# KiCad board tekskey-rounded-half.kicad_pcb (continued)
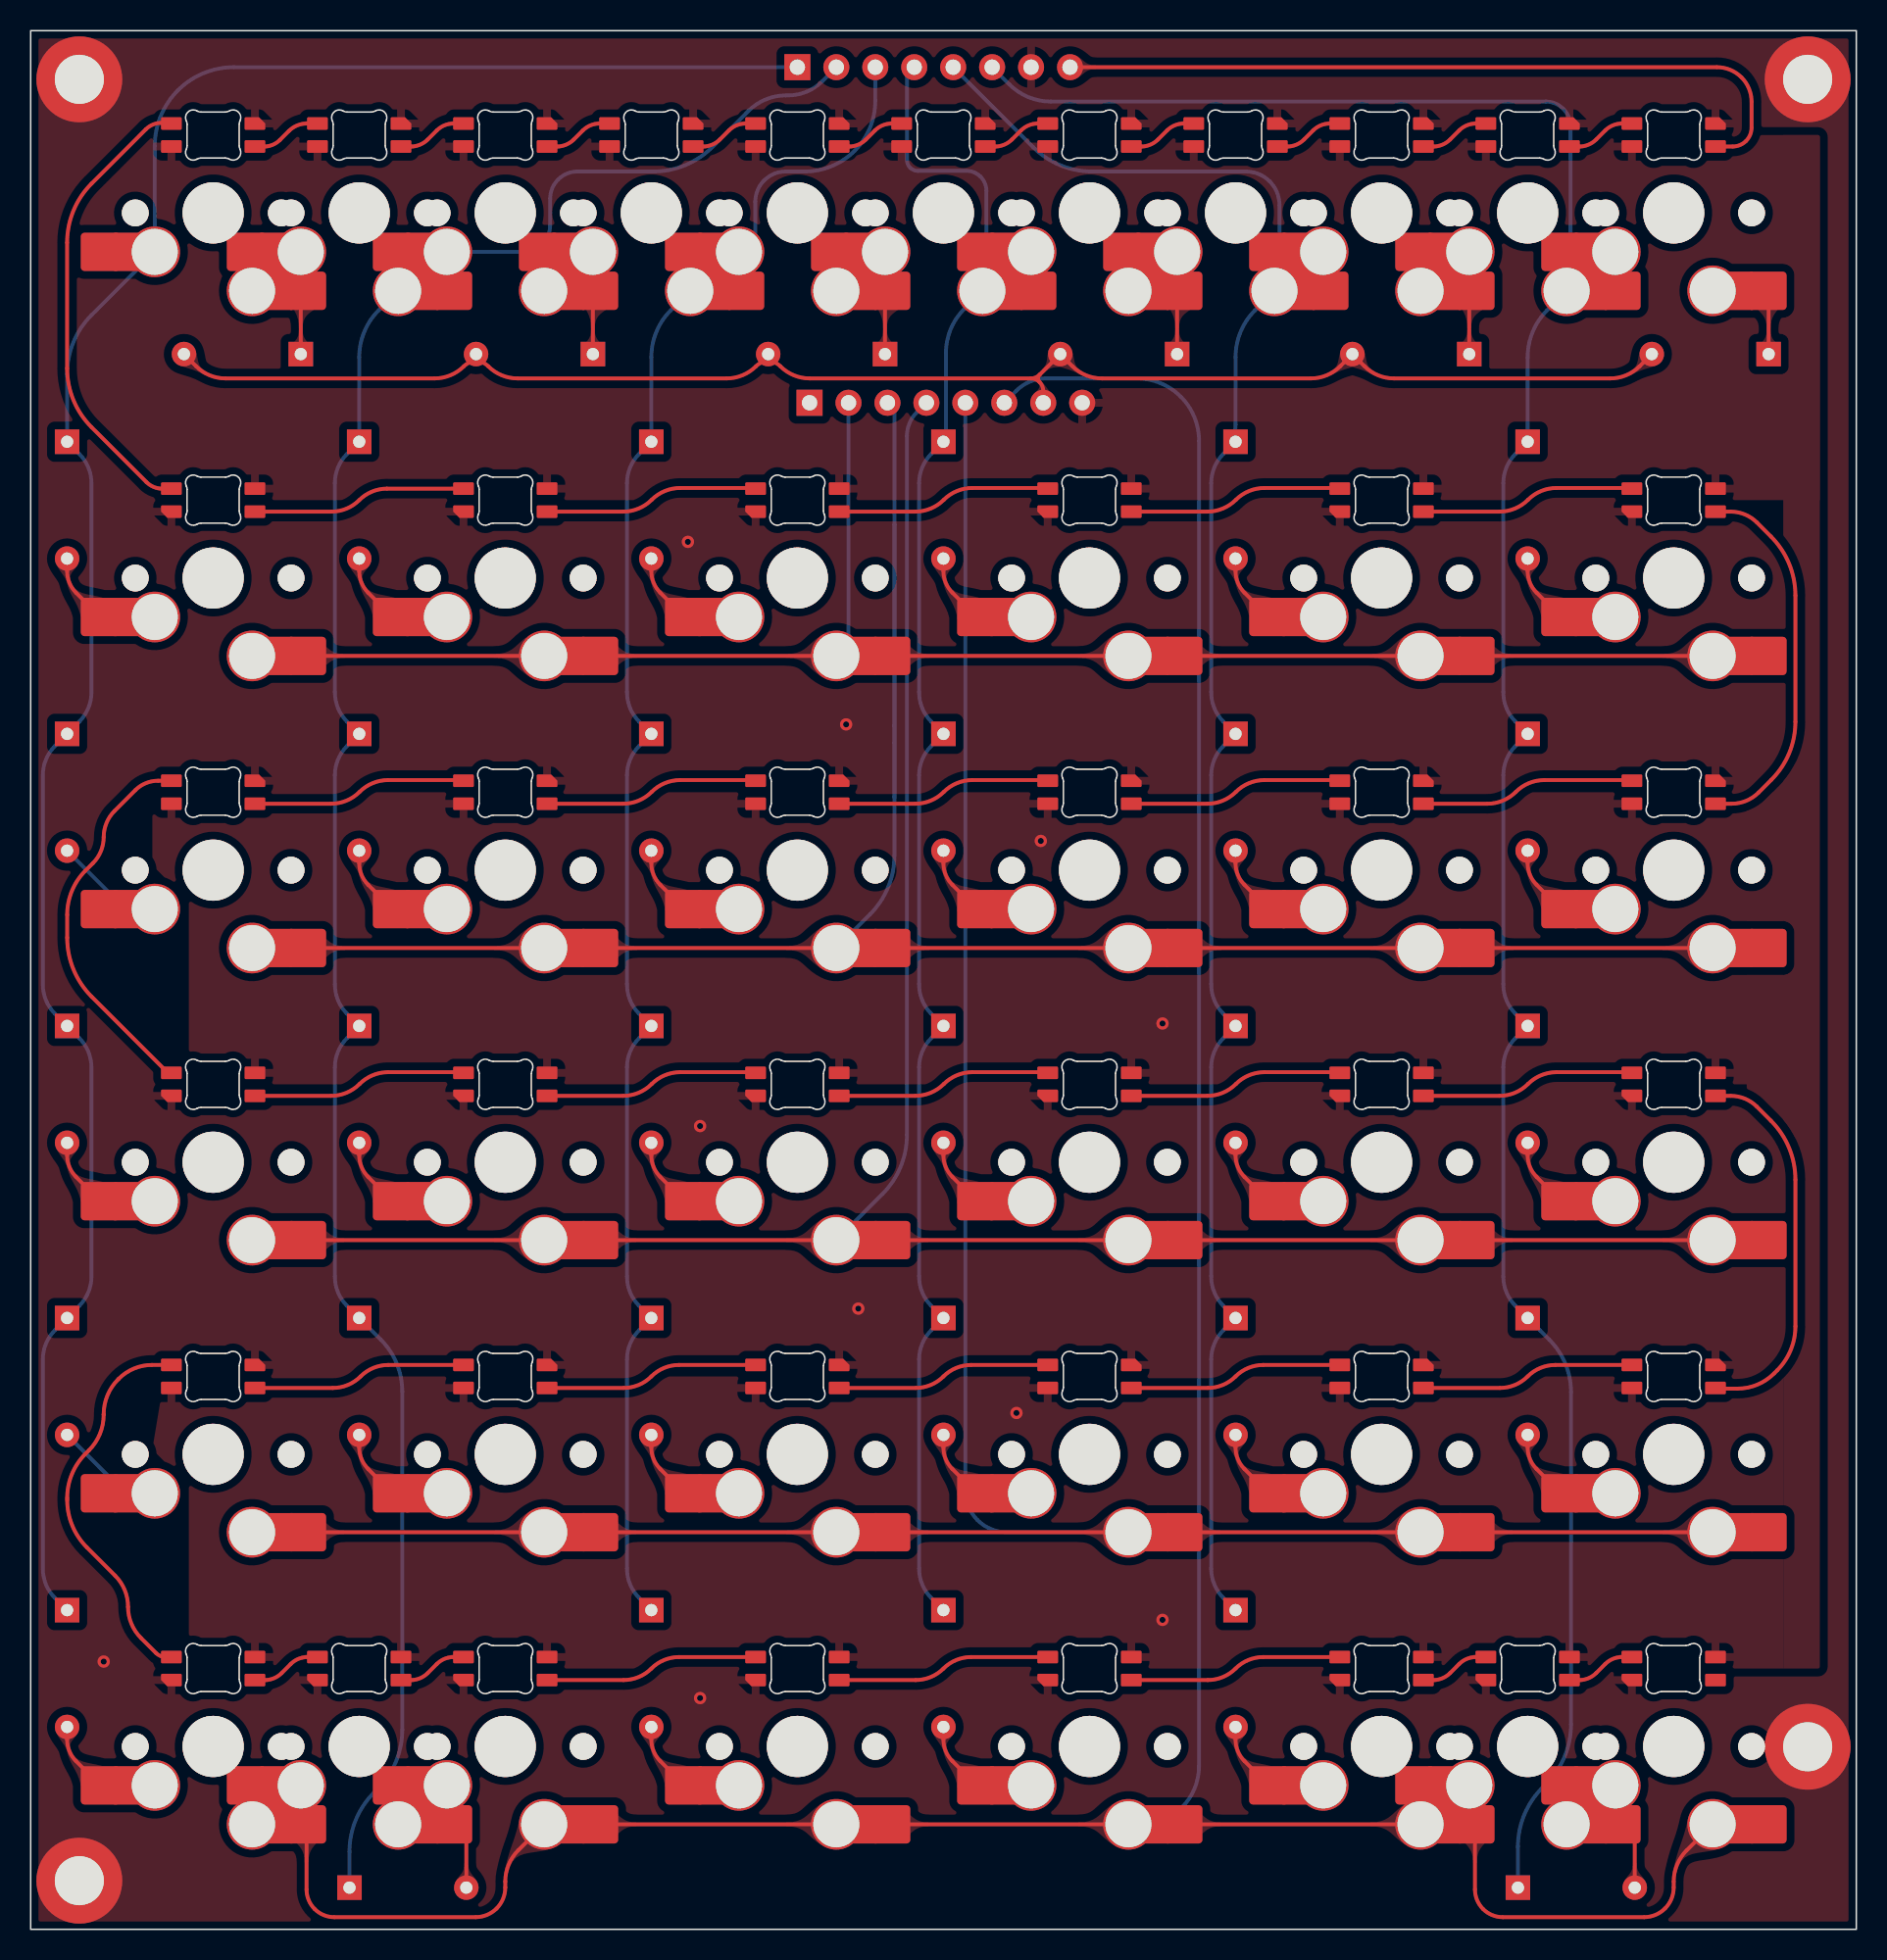
[diagram p0: board, top side]
## Routing (per net, layer and track width the routed paths; a pad name or vN(x,y) marks a point on that pad's centre or on a via; arc(x,y) is an arc through that point) (continued)
col5: length 167.2
  Top w1: 103.02,106.86 100.48,109.4
  Bottom w0.25: J102.6 63.82,120.32 arc(65.06,119.49) 66.53,119.2 98.81,119.2 arc(99.43,119.08) 99.95,118.73 arc(100.3,118.2) 100.42,117.59 100.42,107.12 ; D136.1 96.99,5.39 arc(97.41,7.47) 98.59,9.23 98.86,9.51 arc(100.04,11.28) 100.46,13.36 100.46,35.04 arc(100.09,36.89) 99.04,38.45 96.83,40.66 arc(96.25,41.54) 96.04,42.58 96.04,56.21 arc(96.25,57.24) 96.83,58.12 D124.1 96.83,59.71 arc(96.25,60.59) 96.04,61.63 96.04,75.26 arc(96.25,76.29) 96.83,77.17 D118.1 96.83,78.76 arc(96.25,79.64) 96.04,80.68 96.04,94.31 arc(96.25,95.34) 96.83,96.22 D112.1 97.63,102.52 arc(97.96,104.18) 98.9,105.59 SW5B101.2 102.71,109.4
LEDIN: length 50.5
  Top w0.25: J102.8 109.97,121.44 arc(110.84,121.27) 111.57,120.78 arc(112.06,120.05) 112.23,119.19 112.23,117.5 arc(112.14,117.03) 111.87,116.63 arc(111.47,116.36) 111,116.27 LED106.3
row0: length 102.8
  Top w0.25: 65.8,101.38 D104.2 67.94,101.94 arc(68.82,101.35) 69.86,101.14 83.49,101.14 arc(84.52,101.35) 85.4,101.94 D105.2 86.99,101.94 arc(87.87,101.35) 88.91,101.14 103.01,101.14 arc(104.05,101.35) 104.93,101.94 D106.2 ; 65.8,101.38 arc(65.53,101.21) 65.22,101.14 ; 65.8,101.38 arc(65.7,101.14) 65.8,100.91 ; D101.2 10.79,101.94 arc(11.67,101.35) 12.71,101.14 26.34,101.14 arc(27.37,101.35) 28.25,101.94 arc(29.05,102.27) 29.84,101.94 arc(30.72,101.35) 31.76,101.14 45.39,101.14 arc(46.42,101.35) 47.3,101.94 arc(48.1,102.27) 48.89,101.94 arc(49.77,101.35) 50.81,101.14 65.22,101.14 ; J101.7 66.04,100.33 arc(65.97,100.64) 65.8,100.91 ; 65.22,101.14 arc(65.53,101.08) 65.8,100.91
row1: length 93.2
  Top w0.25: SW110.2 SW109.2 ; SW112.2 SW111.2 ; SW109.2 SW108.2 ; SW108.2 SW107.2 ; SW111.2 SW110.2
  Bottom w0.25: J101.2 53.34,83.84
row2: length 132.9
  Top w0.25: SW113.2 SW114.2 ; SW114.2 SW115.2 ; SW115.2 SW116.2 ; SW116.2 SW117.2 ; SW117.2 SW118.2
  Bottom w0.25: 56.33,77.35 56.33,99.1 ; 56.33,77.35 56.33,73.83 ; 56.33,77.35 arc(56.33,77.93) 56.33,78.52 ; 56.33,73.83 56.33,78.52 ; 56.33,73.83 56.33,70.04 arc(55.92,67.96) 54.74,66.19 SW115.2 ; 56.33,78.52 56.33,91.59 arc(56.33,91.6) 56.34,91.61 56.35,91.62
row3: length 134.2
  Top w0.25: SW124.2 SW123.2 ; SW120.2 SW121.2 ; SW122.2 SW121.2 ; SW120.2 SW119.2 ; SW123.2 SW122.2
  Bottom w0.25: J101.4 57.78,98.92 arc(57.31,98.22) 57.15,97.39 57.15,51.8 arc(56.73,49.72) 55.55,47.96 SW121.2
row4: length 160.6
  Top w0.25: SW125.2 SW126.2 ; SW126.2 SW127.2 ; SW128.2 SW129.2 ; SW127.2 SW128.2 ; SW129.2 SW130.2
  Bottom w0.25: SW128.2 63.67,25.9 arc(62.63,26.1) 61.75,26.69 arc(61.16,27.57) 60.96,28.61 J101.5
row5: length 217
  Top w0.25: SW133.2 SW134.2 ; SW134.2 SW135.2 ; SW132.2 31.79,5.15 arc(31.17,4.22) 30.95,3.12 30.95,2.73 arc(30.8,1.99) 30.39,1.36 arc(29.76,0.94) 29.02,0.79 19.8,0.79 arc(19.11,0.93) 18.52,1.32 arc(18.13,1.91) 17.99,2.6 SW131.2 ; SW136.2 107.99,5.15 arc(107.37,4.22) 107.15,3.12 107.15,2.73 arc(107,1.99) 106.59,1.36 arc(105.96,0.94) 105.22,0.79 96,0.79 arc(95.31,0.93) 94.72,1.32 arc(94.33,1.91) 94.19,2.6 SW135.2 ; SW132.2 SW133.2
  Top w1: 17.3,6.85 15.79,8.35
  Top w2: 93.5,6.85 90.96,9.39
  Bottom w0.25: J101.6 64.29,100.35 arc(65.17,100.94) 66.21,101.14 72.13,101.14 arc(73.69,100.84) 75,99.95 arc(75.89,98.64) 76.2,97.08 76.2,10.64 arc(75.91,9.19) 75.08,7.96 74.81,7.69 arc(73.88,7.07) 72.78,6.85 SW134.2 ; SW135.2 93.18,9.39 ; SW131.2 16.98,9.39
Net-(D101-Pad1): length 11
  Top w0.25: D101.1 17.62,106.54
  Top w1: 17.3,106.86 14.76,109.4
  Bottom w0.25: SW101.2 16.98,109.4
Net-(D102-Pad1): length 11
  Top w0.25: 36.67,106.54 D102.1
  Top w1: 36.67,106.54 34.84,108.37 SW2B101.1
  Bottom w0.25: SW102.2 36.03,109.4
Net-(D103-Pad1): length 11
  Top w0.25: 55.72,106.54 D103.1
  Top w1: 55.72,106.54 53.89,108.37 SW3B101.1
  Bottom w0.25: SW103.2 55.08,109.4
Net-(D104-Pad1): length 11
  Top w0.25: 74.77,106.54 D104.1
  Top w1: 74.77,106.54 72.94,108.37 SW4B101.1
  Bottom w0.25: SW104.2 74.13,109.4
Net-(D105-Pad1): length 11
  Top w0.25: 93.82,106.54 D105.1
  Top w1: 93.82,106.54 91.99,108.37 SW5B101.1
  Bottom w0.25: SW105.2 93.18,109.4
Net-(D106-Pad1): length 4
  Top w0.25: D106.1 113.34,106.76
Net-(D107-Pad2): length 4.6
  Top w0.25: D107.2 2.38,88.57 arc(2.53,87.81) 2.96,87.17 SW107.1
Net-(D108-Pad2): length 4.6
  Top w0.25: SW108.1 22.01,87.17 arc(21.58,87.81) 21.43,88.57 D108.2
Net-(D109-Pad2): length 4.6
  Top w0.25: SW109.1 41.06,87.17 arc(40.63,87.81) 40.48,88.57 D109.2
Net-(D110-Pad2): length 4.6
  Top w0.25: SW110.1 60.11,87.17 arc(59.68,87.81) 59.53,88.57 D110.2
Net-(D111-Pad2): length 4.6
  Top w0.25: SW111.1 79.16,87.17 arc(78.73,87.81) 78.58,88.57 D111.2
Net-(D112-Pad2): length 4.6
  Top w0.25: SW112.1 98.21,87.17 arc(97.78,87.81) 97.63,88.57 D112.2
Net-(D113-Pad2): length 7.2
  Bottom w0.25: D113.2 5.51,67.21 arc(6.26,66.71) 7.14,66.54 SW113.1
Net-(D114-Pad2): length 4.6
  Top w0.25: D114.2 21.43,69.52 arc(21.58,68.76) 22.01,68.12 SW114.1
Net-(D115-Pad2): length 4.6
  Top w0.25: SW115.1 41.06,68.12 arc(40.63,68.76) 40.48,69.52 D115.2
Net-(D116-Pad2): length 4.6
  Top w0.25: D116.2 59.53,69.52 arc(59.68,68.76) 60.11,68.12 SW116.1
Net-(D117-Pad2): length 4.6
  Top w0.25: SW117.1 79.16,68.12 arc(78.73,68.76) 78.58,69.52 D117.2
Net-(D118-Pad2): length 4.6
  Top w0.25: SW118.1 98.21,68.12 arc(97.78,68.76) 97.63,69.52 D118.2
Net-(D119-Pad2): length 4.6
  Top w0.25: D119.2 2.38,50.47 arc(2.53,49.71) 2.96,49.07 SW119.1
Net-(D120-Pad2): length 4.6
  Top w0.25: SW120.1 22.01,49.07 arc(21.58,49.71) 21.43,50.47 D120.2
Net-(D121-Pad2): length 4.6
  Top w0.25: SW121.1 41.06,49.07 arc(40.63,49.71) 40.48,50.47 D121.2
Net-(D122-Pad2): length 4.6
  Top w0.25: SW122.1 60.11,49.07 arc(59.68,49.71) 59.53,50.47 D122.2
Net-(D123-Pad2): length 4.6
  Top w0.25: D123.2 78.58,50.47 arc(78.73,49.71) 79.16,49.07 SW123.1
Net-(D124-Pad2): length 4.6
  Top w0.25: SW124.1 98.21,49.07 arc(97.78,49.71) 97.63,50.47 D124.2
Net-(D125-Pad2): length 7.2
  Bottom w0.25: D125.2 5.51,29.11 arc(6.26,28.61) 7.14,28.44 SW125.1
Net-(D126-Pad2): length 4.6
  Top w0.25: SW126.1 22.01,30.02 arc(21.58,30.66) 21.43,31.42 D126.2
Net-(D127-Pad2): length 4.6
  Top w0.25: SW127.1 41.06,30.02 arc(40.63,30.66) 40.48,31.42 D127.2
Net-(D128-Pad2): length 4.6
  Top w0.25: SW128.1 60.11,30.02 arc(59.68,30.66) 59.53,31.42 D128.2
Net-(D129-Pad2): length 4.6
  Top w0.25: D129.2 78.58,31.42 arc(78.73,30.66) 79.16,30.02 SW129.1
Net-(D130-Pad2): length 4.6
  Top w0.25: SW130.1 98.21,30.02 arc(97.78,30.66) 97.63,31.42 D130.2
Net-(D131-Pad2): length 4.6
  Top w0.25: D131.2 2.38,12.37 arc(2.53,11.61) 2.96,10.97 SW131.1
Net-(D132-Pad2): length 9
  Top w0.25: 28.41,5.95 D132.2
  Top w1: 26.82,6.85 25.32,8.35
  Bottom w0.25: SW51B101.2 26.51,9.39
Net-(D133-Pad2): length 4.6
  Top w0.25: D133.2 40.48,12.37 arc(40.63,11.61) 41.06,10.97 SW133.1
Net-(D134-Pad2): length 4.6
  Top w0.25: D134.2 59.53,12.37 arc(59.68,11.61) 60.11,10.97 SW134.1
Net-(D135-Pad2): length 4.6
  Top w0.25: D135.2 78.58,12.37 arc(78.73,11.61) 79.16,10.97 SW135.1
Net-(D136-Pad2): length 10.4
  Top w0.25: 104.61,5.95 D136.2
  Top w1: 103.02,6.85 100.48,9.39
  Bottom w0.25: SW55B101.2 102.71,9.39
Net-(LED0B101-Pad2): length 4.6
  Top w0.25: LED0B101.2 18.01,117.77 arc(17.38,117.64) 16.84,117.28 16.25,116.69 arc(15.78,116.38) 15.23,116.27 LED101.3
Net-(LED0B101-Pad3): length 4.6
  Top w0.25: LED0B101.3 24.8,116.27 arc(25.39,116.39) 25.89,116.72 26.48,117.31 arc(26.99,117.65) 27.58,117.77 LED102.2
Net-(LED101-Pad2): length 30.3
  Top w0.25: LED107.3 8.58,93.96 arc(8.02,94.07) 7.55,94.38 3.97,97.96 arc(2.79,99.73) 2.38,101.81 2.38,110 arc(2.79,112.09) 3.97,113.85 7.51,117.39 arc(7.98,117.7) 8.53,117.81 9.13,117.81
Net-(LED102-Pad3): length 4.6
  Top w0.25: LED102.3 34.32,116.27 arc(34.91,116.39) 35.42,116.72 36.01,117.31 arc(36.51,117.65) 37.11,117.77 LED1B101.2
Net-(LED103-Pad2): length 4.6
  Top w0.25: LED103.2 46.63,117.77 arc(46.04,117.65) 45.53,117.31 44.94,116.72 arc(44.44,116.39) 43.85,116.27 LED1B101.3
Net-(LED103-Pad3): length 4.6
  Top w0.25: LED103.3 53.37,116.27 arc(53.96,116.39) 54.47,116.72 55.06,117.31 arc(55.56,117.65) 56.16,117.77 LED2B101.2
Net-(LED104-Pad2): length 4.6
  Top w0.25: LED104.2 65.68,117.77 arc(65.09,117.65) 64.58,117.31 63.99,116.72 arc(63.49,116.39) 62.9,116.27 LED2B101.3
Net-(LED104-Pad3): length 4.6
  Top w0.25: LED104.3 72.42,116.27 arc(73.01,116.39) 73.52,116.72 74.11,117.31 arc(74.61,117.65) 75.21,117.77 LED3B101.2
Net-(LED105-Pad2): length 4.6
  Top w0.25: LED3B101.3 81.95,116.27 arc(82.54,116.39) 83.04,116.72 83.63,117.31 arc(84.14,117.65) 84.73,117.77 LED105.2
Net-(LED105-Pad3): length 4.6
  Top w0.25: LED4B101.2 94.26,117.77 arc(93.66,117.65) 93.16,117.31 92.57,116.72 arc(92.06,116.39) 91.47,116.27 LED105.3
Net-(LED106-Pad2): length 4.6
  Top w0.25: LED4B101.3 101,116.27 arc(101.59,116.39) 102.09,116.72 102.68,117.31 arc(103.19,117.65) 103.78,117.77 LED106.2
Net-(LED107-Pad2): length 14
  Top w0.25: LED108.3 23.24,93.96 arc(22.26,93.76) 21.43,93.21 arc(20.6,92.65) 19.62,92.46 LED107.2
Net-(LED108-Pad2): length 14
  Top w0.25: LED108.2 38.63,92.46 arc(39.64,92.66) 40.5,93.23 arc(41.35,93.8) 42.36,94 47.23,94
Net-(LED109-Pad2): length 14
  Top w0.25: 66.28,94 61.41,94 arc(60.4,93.8) 59.55,93.23 arc(58.69,92.66) 57.68,92.46 LED109.2
Net-(LED110-Pad2): length 14
  Top w0.25: 85.33,94 80.46,94 arc(79.45,93.8) 78.6,93.23 arc(77.74,92.66) 76.73,92.46 LED110.2
Net-(LED111-Pad2): length 14
  Top w0.25: LED111.2 95.78,92.46 arc(96.79,92.66) 97.65,93.23 arc(98.5,93.8) 99.51,94 104.38,94
Net-(LED112-Pad2): length 25.1
  Top w0.25: LED112.2 110.87,92.46 arc(111.79,92.27) 112.58,91.75 113.5,90.83 arc(114.67,89.07) 115.09,86.98 115.09,78.75 arc(114.68,76.71) 113.52,74.97 112.69,74.14 arc(111.88,73.6) 110.92,73.41 LED118.3
Net-(LED113-Pad2): length 24.9
  Top w0.25: 8.94,55.86 3.98,60.83 arc(2.8,62.59) 2.38,64.67 2.38,66.17 arc(2.69,67.72) 3.57,69.04 4.06,69.53 arc(4.58,70.31) 4.76,71.23 arc(4.95,72.16) 5.47,72.94 6.82,74.29 arc(7.5,74.75) 8.31,74.91 LED113.2
Net-(LED113-Pad3): length 14
  Top w0.25: LED113.3 19.58,73.41 arc(20.59,73.61) 21.45,74.18 arc(22.3,74.75) 23.31,74.95 28.18,74.95
Net-(LED114-Pad3): length 14
  Top w0.25: LED114.3 38.63,73.41 arc(39.64,73.61) 40.5,74.18 arc(41.35,74.75) 42.36,74.95 47.23,74.95
Net-(LED115-Pad3): length 14
  Top w0.25: LED115.3 57.68,73.41 arc(58.69,73.61) 59.55,74.18 arc(60.4,74.75) 61.41,74.95 66.28,74.95
Net-(LED116-Pad3): length 14
  Top w0.25: LED116.3 76.73,73.41 arc(77.74,73.61) 78.6,74.18 arc(79.45,74.75) 80.46,74.95 85.33,74.95
Net-(LED117-Pad3): length 14
  Top w0.25: LED117.3 94.99,73.41 arc(96,73.61) 96.85,74.18 arc(97.71,74.75) 98.72,74.95 104.38,74.95
Net-(LED119-Pad2): length 14
  Top w0.25: 28.18,55.9 23.31,55.9 arc(22.3,55.7) 21.45,55.13 arc(20.59,54.56) 19.58,54.36 LED119.2
Net-(LED120-Pad2): length 14
  Top w0.25: 47.23,55.9 42.36,55.9 arc(41.35,55.7) 40.5,55.13 arc(39.64,54.56) 38.63,54.36 LED120.2
Net-(LED121-Pad2): length 14
  Top w0.25: LED121.2 57.68,54.36 arc(58.69,54.56) 59.55,55.13 arc(60.4,55.7) 61.41,55.9 66.28,55.9
Net-(LED122-Pad2): length 14
  Top w0.25: 85.33,55.9 80.46,55.9 arc(79.45,55.7) 78.6,55.13 arc(77.74,54.56) 76.73,54.36 LED122.2
Net-(LED123-Pad2): length 14
  Top w0.25: 104.38,55.9 99.51,55.9 arc(98.5,55.7) 97.65,55.13 arc(96.79,54.56) 95.78,54.36 LED123.2
Net-(LED124-Pad2): length 25.5
  Top w0.25: 109.92,35.26 111.31,35.26 arc(112.6,35.52) 113.69,36.25 113.9,36.45 arc(114.78,37.77) 115.09,39.33 115.09,48.88 arc(114.67,50.97) 113.5,52.73 112.58,53.65 arc(111.79,54.17) 110.87,54.36 LED124.2
Net-(LED125-Pad2): length 25.5
  Top w0.25: LED125.2 7.91,36.81 arc(6.74,36.57) 5.75,35.91 5.7,35.87 arc(5.01,34.82) 4.76,33.59 4.76,33.56 arc(4.51,32.3) 3.8,31.24 3.57,31.01 arc(2.69,29.69) 2.38,28.13 2.38,28.01 arc(2.71,26.33) 3.66,24.91 5.51,23.07 arc(6.13,22.13) 6.35,21.03 arc(6.57,19.93) 7.19,19 8.17,18.02 arc(8.46,17.83) 8.81,17.76 LED131.3
Net-(LED125-Pad3): length 14
  Top w0.25: LED125.3 19.7,35.31 arc(20.68,35.5) 21.51,36.06 arc(22.34,36.61) 23.32,36.81 LED126.2
Net-(LED126-Pad3): length 14
  Top w0.25: LED126.3 38.67,35.31 arc(39.65,35.5) 40.48,36.06 arc(41.31,36.61) 42.29,36.81 LED127.2
Net-(LED127-Pad3): length 14
  Top w0.25: LED127.3 57.72,35.31 arc(58.7,35.5) 59.53,36.06 arc(60.36,36.61) 61.34,36.81 LED128.2
Net-(LED128-Pad3): length 14
  Top w0.25: LED128.3 76.77,35.31 arc(77.75,35.5) 78.58,36.06 arc(79.41,36.61) 80.39,36.81 LED129.2
Net-(LED129-Pad3): length 14
  Top w0.25: LED130.2 99.44,36.81 arc(98.46,36.61) 97.63,36.06 arc(96.8,35.5) 95.82,35.31 LED129.3
Net-(LED131-Pad2): length 4.6
  Top w0.25: LED132.3 18.06,17.76 arc(17.46,17.64) 16.96,17.3 16.37,16.71 arc(15.86,16.38) 15.27,16.26 LED131.2
Net-(LED132-Pad2): length 4.6
  Top w0.25: LED133.3 27.58,17.76 arc(26.99,17.64) 26.48,17.3 25.89,16.71 arc(25.39,16.38) 24.8,16.26 LED132.2
Net-(LED133-Pad2): length 14
  Top w0.25: LED133.2 38.67,16.26 arc(39.65,16.45) 40.48,17.01 arc(41.31,17.56) 42.29,17.76 LED134.3
Net-(LED134-Pad2): length 14
  Top w0.25: LED135.3 61.34,17.76 arc(60.36,17.56) 59.53,17.01 arc(58.7,16.45) 57.72,16.26 LED134.2
Net-(LED135-Pad2): length 14
  Top w0.25: LED135.2 76.77,16.26 arc(77.75,16.45) 78.58,17.01 arc(79.41,17.56) 80.39,17.76 LED136.3
Net-(LED136-Pad2): length 4.6
  Top w0.25: LED137.3 94.26,17.76 arc(93.66,17.64) 93.16,17.3 92.57,16.71 arc(92.06,16.38) 91.47,16.26 LED136.2
Net-(LED137-Pad2): length 4.6
  Top w0.25: LED137.2 101,16.26 arc(101.59,16.38) 102.09,16.71 102.68,17.3 arc(103.19,17.64) 103.78,17.76 LED138.3

## Copper pours and planes (outline as drawn; the poured copper is in the pictures)
+5V on Top: 114.3,55.11 10.31,55.11 10.31,67.01 7.93,69.39 7.93,74.16 114.3,74.16
+5V on Top: 116.68,93.21 8.73,93.21 2.38,99.56 2.38,112.26 7.14,117.02 116.68,117.02
+5V on Top: 115.09,51.14 111.91,54.31 111.91,73.36 115.09,76.54
+5V on Top: 116.68,17.01 114.3,17.01 114.3,117.02 116.68,117.02
+5V on Top: 114.3,17.01 10.31,17.01 10.31,28.91 7.93,31.29 8.73,36.06 114.3,36.06
+5V on Bottom: 76.2,17.8 70.64,17.8 70.64,26.53 61.11,26.53 61.11,101.14 76.2,101.14
GND on Top: 119.06,123.82 119.06,0 0,0 0,123.82
GND on Bottom: 119.06,0 0,0 0,123.82 119.06,123.82
col0 on Bottom: 1.22,38.38 1.33,38.56 1.45,38.7 1.57,38.8 1.69,38.87 1.82,38.92 1.96,38.96 2.27,39.01 2.45,39.05 2.64,39.11 2.66,40.15 1.62,40.13 1.55,39.93 1.5,39.75 1.41,39.46 1.37,39.33 1.32,39.19 1.27,39.05 1.2,38.89 1.11,38.71 1,38.49
col0 on Bottom: 7.97,112.69 7.94,112.3 7.88,111.98 7.78,111.71 7.65,111.49 7.5,111.3 7.33,111.11 7.15,110.91 6.97,110.69 6.78,110.44 6.61,110.12 8.09,108.57 9.58,110.12 9.4,110.44 9.22,110.69 9.03,110.91 8.85,111.11 8.68,111.3 8.53,111.49 8.4,111.71 8.3,111.98 8.24,112.3 8.22,112.69
col0 on Bottom: 3.53,41.36 3.42,41.17 3.31,41.03 3.19,40.93 3.06,40.86 2.93,40.81 2.79,40.78 2.48,40.72 2.31,40.68 2.11,40.62 2.09,39.58 3.13,39.6 3.2,39.81 3.25,39.98 3.34,40.27 3.38,40.41 3.43,40.54 3.49,40.69 3.56,40.85 3.64,41.03 3.76,41.24
col0 on Bottom: 2.25,98.61 2.24,98.42 2.22,98.27 2.17,98.14 2.12,98.03 2.05,97.93 1.98,97.84 1.9,97.74 1.82,97.64 1.74,97.51 1.66,97.37 2.38,96.62 3.1,97.37 3.02,97.51 2.93,97.64 2.85,97.74 2.77,97.84 2.7,97.93 2.63,98.03 2.58,98.14 2.54,98.27 2.51,98.42 2.5,98.61
col0 on Bottom: 48.31,121.32 48.51,121.31 48.67,121.28 48.81,121.23 48.92,121.17 49.03,121.1 49.13,121.03 49.23,120.94 49.34,120.85 49.47,120.77 49.63,120.68 50.43,121.44 49.63,122.21 49.47,122.12 49.34,122.03 49.23,121.95 49.13,121.86 49.03,121.78 48.92,121.71 48.81,121.65 48.67,121.61 48.51,121.58 48.31,121.57
col0 on Bottom: 5.85,106.98 6.15,107.25 6.42,107.43 6.68,107.54 6.92,107.61 7.17,107.64 7.42,107.65 7.69,107.66 7.97,107.69 8.29,107.74 8.63,107.84 8.67,109.98 6.53,109.94 6.43,109.59 6.38,109.28 6.35,108.99 6.34,108.73 6.33,108.48 6.3,108.23 6.23,107.98 6.12,107.73 5.94,107.46 5.68,107.16
col0 on Bottom: 1,22.19 1.11,21.98 1.2,21.79 1.27,21.63 1.32,21.49 1.37,21.36 1.41,21.22 1.5,20.93 1.55,20.76 1.62,20.55 2.66,20.53 2.64,21.57 2.45,21.63 2.27,21.67 1.96,21.73 1.82,21.76 1.69,21.81 1.57,21.88 1.45,21.98 1.33,22.12 1.22,22.31
col0 on Bottom: 3.76,95.64 3.64,95.86 3.56,96.04 3.49,96.2 3.43,96.34 3.38,96.48 3.34,96.61 3.25,96.9 3.2,97.08 3.13,97.28 2.09,97.3 2.11,96.26 2.31,96.2 2.48,96.16 2.79,96.11 2.93,96.07 3.06,96.02 3.19,95.95 3.31,95.85 3.42,95.71 3.53,95.52
col1 on Top: 26,108.4 25.77,108.63 25.58,108.84 25.43,109.02 25.31,109.19 25.19,109.36 25.08,109.51 24.97,109.67 24.85,109.85 24.7,110.03 24.52,110.24 23.01,109.63 23.67,108.15 23.87,108.17 24.05,108.18 24.22,108.18 24.37,108.18 24.52,108.16 24.66,108.12 24.81,108.06 24.96,107.97 25.12,107.85 25.29,107.69
col1 on Top: 25.11,107.86 25.34,107.63 25.52,107.42 25.67,107.24 25.8,107.07 25.92,106.9 26.02,106.75 26.14,106.58 26.26,106.41 26.41,106.23 26.59,106.02 28.1,106.62 27.44,108.11 27.24,108.09 27.06,108.08 26.89,108.07 26.74,108.08 26.59,108.1 26.44,108.14 26.3,108.2 26.15,108.29 25.99,108.41 25.82,108.57
col1 on Bottom: 24.62,107.34 24.89,107.58 25.14,107.73 25.38,107.83 25.61,107.87 25.84,107.87 26.08,107.85 26.33,107.81 26.6,107.77 26.9,107.75 27.24,107.75 27.86,109.8 25.79,110.34 25.59,110.02 25.45,109.72 25.36,109.44 25.29,109.17 25.23,108.92 25.17,108.66 25.07,108.4 24.93,108.12 24.73,107.83 24.45,107.52
col1 on Bottom: 20.27,57.42 20.38,57.61 20.5,57.75 20.62,57.85 20.74,57.92 20.87,57.97 21.01,58.01 21.32,58.06 21.5,58.1 21.69,58.16 21.71,59.2 20.67,59.18 20.6,58.98 20.55,58.8 20.46,58.51 20.42,58.38 20.37,58.24 20.32,58.1 20.25,57.94 20.16,57.76 20.05,57.54
col1 on Bottom: 21.89,104.18 22.07,104.52 22.26,104.76 22.48,104.92 22.71,105.02 22.96,105.08 23.23,105.1 23.52,105.12 23.83,105.15 24.16,105.2 24.51,105.3 24.55,107.44 22.41,107.4 22.29,107.03 22.21,106.7 22.16,106.41 22.12,106.14 22.1,105.89 22.06,105.63 22.01,105.35 21.94,105.04 21.82,104.69 21.66,104.28
col1 on Bottom: 51.01,119.9 51.24,120.03 51.45,120.14 51.62,120.22 51.78,120.29 51.93,120.35 52.08,120.4 52.23,120.45 52.4,120.5 52.59,120.56 52.82,120.64 52.84,121.74 51.74,121.72 51.67,121.51 51.62,121.31 51.59,121.13 51.55,120.96 51.51,120.81 51.45,120.66 51.37,120.52 51.25,120.39 51.09,120.25 50.89,120.12
col1 on Bottom: 20.05,41.24 20.16,41.03 20.25,40.85 20.32,40.69 20.37,40.54 20.42,40.41 20.46,40.27 20.55,39.98 20.6,39.81 20.67,39.6 21.71,39.58 21.69,40.62 21.5,40.68 21.32,40.72 21.01,40.78 20.87,40.81 20.74,40.86 20.62,40.93 20.5,41.03 20.38,41.17 20.27,41.36
col1 on Bottom: 21.3,98.61 21.29,98.42 21.27,98.27 21.22,98.14 21.17,98.03 21.1,97.93 21.03,97.84 20.95,97.74 20.87,97.64 20.79,97.51 20.71,97.37 21.43,96.62 22.15,97.37 22.07,97.51 21.98,97.64 21.9,97.74 21.82,97.84 21.75,97.93 21.68,98.03 21.63,98.14 21.59,98.27 21.56,98.42 21.55,98.61
col1 on Bottom: 30.43,109.52 30.04,109.55 29.72,109.61 29.46,109.71 29.23,109.84 29.04,109.99 28.85,110.16 28.66,110.34 28.44,110.53 28.18,110.71 27.86,110.88 26.32,109.4 27.86,107.91 28.18,108.09 28.44,108.27 28.66,108.46 28.85,108.64 29.04,108.81 29.23,108.96 29.46,109.09 29.72,109.19 30.04,109.25 30.43,109.27
col1 on Bottom: 22.64,38.83 22.51,38.97 22.42,39.1 22.36,39.22 22.33,39.33 22.3,39.45 22.29,39.57 22.28,39.69 22.26,39.82 22.23,39.97 22.18,40.13 21.14,40.15 21.16,39.11 21.33,39.06 21.47,39.03 21.61,39.02 21.73,39 21.85,38.99 21.96,38.97 22.08,38.93 22.2,38.87 22.32,38.78 22.46,38.65
col1 on Bottom: 20.05,60.29 20.16,60.08 20.25,59.9 20.32,59.74 20.37,59.59 20.42,59.46 20.46,59.32 20.55,59.03 20.6,58.86 20.67,58.65 21.71,58.63 21.69,59.67 21.5,59.73 21.32,59.77 21.01,59.83 20.87,59.86 20.74,59.91 20.62,59.98 20.5,60.08 20.38,60.22 20.27,60.41
col1 on Bottom: 26.2,109.27 25.91,109.01 25.64,108.83 25.38,108.72 25.13,108.65 24.89,108.62 24.64,108.61 24.37,108.6 24.09,108.57 23.77,108.52 23.43,108.42 23.38,106.28 25.53,106.32 25.62,106.67 25.68,106.98 25.7,107.26 25.71,107.53 25.73,107.78 25.76,108.03 25.82,108.28 25.94,108.53 26.12,108.8 26.38,109.1
col1 on Bottom: 20.67,4.31 20.66,4.12 20.63,3.97 20.59,3.84 20.53,3.73 20.47,3.64 20.4,3.54 20.32,3.45 20.23,3.34 20.15,3.22 20.07,3.07 20.79,2.32 21.51,3.07 21.43,3.22 21.35,3.34 21.27,3.45 21.19,3.54 21.11,3.64 21.05,3.73 21,3.84 20.95,3.97 20.93,4.12 20.92,4.31
col1 on Bottom: 20.27,95.52 20.38,95.71 20.5,95.85 20.62,95.95 20.74,96.02 20.87,96.07 21.01,96.11 21.32,96.16 21.5,96.2 21.69,96.26 21.71,97.3 20.67,97.28 20.6,97.08 20.55,96.9 20.46,96.61 20.42,96.48 20.37,96.34 20.32,96.2 20.25,96.04 20.16,95.86 20.05,95.64
col2 on Top: 44.16,107.86 44.39,107.63 44.57,107.42 44.72,107.24 44.85,107.07 44.97,106.9 45.07,106.75 45.19,106.58 45.31,106.41 45.46,106.23 45.64,106.02 47.15,106.62 46.49,108.11 46.29,108.09 46.11,108.08 45.94,108.07 45.79,108.08 45.64,108.1 45.49,108.14 45.35,108.2 45.2,108.29 45.04,108.41 44.87,108.57
col2 on Top: 45.05,108.4 44.82,108.63 44.63,108.84 44.48,109.02 44.36,109.19 44.24,109.36 44.13,109.51 44.02,109.67 43.9,109.85 43.75,110.03 43.57,110.24 42.06,109.63 42.72,108.15 42.92,108.17 43.1,108.18 43.27,108.18 43.42,108.18 43.57,108.16 43.71,108.12 43.86,108.06 44.01,107.97 44.17,107.85 44.34,107.69
col2 on Bottom: 39.1,79.34 39.21,79.13 39.3,78.95 39.37,78.79 39.42,78.64 39.47,78.51 39.51,78.37 39.6,78.08 39.65,77.91 39.72,77.7 40.76,77.68 40.74,78.72 40.55,78.78 40.37,78.82 40.06,78.88 39.92,78.91 39.79,78.96 39.67,79.03 39.55,79.13 39.43,79.27 39.32,79.46
col2 on Bottom: 55.21,119.75 55.22,119.95 55.25,120.12 55.29,120.25 55.35,120.37 55.42,120.47 55.5,120.57 55.58,120.67 55.67,120.78 55.76,120.91 55.85,121.07 55.08,121.87 54.32,121.07 54.4,120.91 54.49,120.78 54.58,120.67 54.66,120.57 54.74,120.47 54.81,120.37 54.87,120.25 54.92,120.12 54.95,119.95 54.96,119.75
col2 on Bottom: 40.35,98.61 40.34,98.42 40.32,98.27 40.27,98.14 40.22,98.03 40.15,97.93 40.08,97.84 40,97.74 39.92,97.64 39.84,97.51 39.76,97.37 40.48,96.62 41.2,97.37 41.12,97.51 41.03,97.64 40.95,97.74 40.87,97.84 40.8,97.93 40.73,98.03 40.68,98.14 40.64,98.27 40.61,98.42 40.6,98.61
col2 on Bottom: 39.1,22.19 39.21,21.98 39.3,21.8 39.37,21.64 39.42,21.49 39.47,21.36 39.51,21.22 39.6,20.93 39.65,20.76 39.72,20.55 40.76,20.53 40.74,21.57 40.55,21.63 40.37,21.67 40.06,21.73 39.92,21.76 39.79,21.81 39.67,21.88 39.55,21.98 39.43,22.12 39.32,22.31
col2 on Bottom: 43.67,107.34 43.94,107.58 44.19,107.73 44.43,107.83 44.66,107.87 44.89,107.87 45.13,107.85 45.38,107.81 45.65,107.77 45.95,107.75 46.29,107.75 46.91,109.8 44.84,110.34 44.64,110.02 44.5,109.72 44.41,109.44 44.34,109.17 44.28,108.92 44.22,108.66 44.12,108.4 43.98,108.12 43.78,107.83 43.5,107.52
col2 on Bottom: 39.1,60.29 39.21,60.08 39.3,59.9 39.37,59.74 39.42,59.59 39.47,59.46 39.51,59.32 39.6,59.03 39.65,58.86 39.72,58.65 40.76,58.63 40.74,59.67 40.55,59.73 40.37,59.77 40.06,59.83 39.92,59.86 39.79,59.91 39.67,59.98 39.55,60.08 39.43,60.22 39.32,60.41
col2 on Bottom: 39.32,95.52 39.43,95.71 39.55,95.85 39.67,95.95 39.79,96.02 39.92,96.07 40.06,96.11 40.37,96.16 40.55,96.2 40.74,96.26 40.76,97.3 39.72,97.28 39.65,97.08 39.6,96.9 39.51,96.61 39.47,96.48 39.42,96.34 39.37,96.2 39.3,96.04 39.21,95.86 39.1,95.64
col2 on Bottom: 39.32,57.42 39.43,57.61 39.55,57.75 39.67,57.85 39.79,57.92 39.92,57.97 40.06,58.01 40.37,58.06 40.55,58.1 40.74,58.16 40.76,59.2 39.72,59.18 39.65,58.98 39.6,58.8 39.51,58.51 39.47,58.38 39.42,58.24 39.37,58.1 39.3,57.94 39.21,57.76 39.1,57.54
col2 on Bottom: 39.1,41.24 39.21,41.03 39.3,40.85 39.37,40.69 39.42,40.54 39.47,40.41 39.51,40.27 39.6,39.98 39.65,39.81 39.72,39.6 40.76,39.58 40.74,40.62 40.55,40.68 40.37,40.72 40.06,40.78 39.92,40.81 39.79,40.86 39.67,40.93 39.55,41.03 39.43,41.17 39.32,41.36
col2 on Bottom: 39.32,38.37 39.43,38.56 39.55,38.7 39.67,38.8 39.79,38.87 39.92,38.92 40.06,38.96 40.37,39.01 40.55,39.05 40.74,39.11 40.76,40.15 39.72,40.13 39.65,39.93 39.6,39.75 39.51,39.46 39.47,39.33 39.42,39.19 39.37,39.05 39.3,38.89 39.21,38.71 39.1,38.49
col2 on Bottom: 39.32,76.47 39.43,76.66 39.55,76.8 39.67,76.9 39.79,76.97 39.92,77.02 40.06,77.06 40.37,77.11 40.55,77.15 40.74,77.21 40.76,78.25 39.72,78.23 39.65,78.03 39.6,77.85 39.51,77.56 39.47,77.43 39.42,77.29 39.37,77.15 39.3,76.99 39.21,76.81 39.1,76.59
col2 on Bottom: 47.13,112.31 47.11,112.03 47.05,111.79 46.95,111.61 46.81,111.47 46.65,111.35 46.46,111.26 46.25,111.18 46.02,111.1 45.78,111.01 45.52,110.91 45.66,108.77 47.84,109.4 47.83,109.76 47.79,110.07 47.74,110.33 47.68,110.57 47.61,110.8 47.54,111.03 47.48,111.28 47.43,111.57 47.39,111.91 47.38,112.31
col2 on Bottom: 40.94,104.18 41.12,104.52 41.31,104.76 41.53,104.92 41.76,105.02 42.01,105.08 42.28,105.1 42.57,105.12 42.88,105.15 43.21,105.2 43.56,105.3 43.6,107.44 41.46,107.4 41.34,107.03 41.26,106.7 41.21,106.41 41.17,106.14 41.15,105.89 41.11,105.63 41.06,105.35 40.99,105.04 40.87,104.69 40.71,104.28
col2 on Bottom: 45.25,109.27 44.96,109.01 44.69,108.83 44.43,108.72 44.18,108.65 43.94,108.62 43.69,108.61 43.42,108.6 43.14,108.57 42.82,108.52 42.48,108.42 42.43,106.28 44.58,106.32 44.67,106.67 44.73,106.98 44.75,107.26 44.76,107.53 44.78,107.78 44.81,108.03 44.87,108.28 44.99,108.53 45.17,108.8 45.43,109.1
col3 on Top: 64.1,108.4 63.87,108.63 63.68,108.84 63.53,109.02 63.41,109.19 63.29,109.36 63.18,109.51 63.07,109.67 62.95,109.85 62.8,110.03 62.62,110.24 61.11,109.63 61.77,108.15 61.97,108.17 62.15,108.18 62.32,108.18 62.47,108.18 62.62,108.16 62.76,108.12 62.91,108.06 63.06,107.97 63.22,107.85 63.39,107.69
col3 on Top: 63.21,107.86 63.44,107.63 63.62,107.42 63.77,107.24 63.9,107.07 64.02,106.9 64.12,106.75 64.24,106.58 64.36,106.41 64.51,106.23 64.69,106.02 66.2,106.62 65.54,108.11 65.34,108.09 65.16,108.08 64.99,108.07 64.84,108.08 64.69,108.1 64.54,108.14 64.4,108.2 64.25,108.29 64.09,108.41 63.92,108.57
col3 on Bottom: 63.96,108.93 63.77,108.76 63.59,108.64 63.4,108.55 63.22,108.49 63.05,108.46 62.87,108.45 62.7,108.46 62.53,108.47 62.36,108.49 62.19,108.5 61.48,106.28 63.71,106.99 63.7,107.16 63.68,107.32 63.66,107.5 63.66,107.67 63.67,107.84 63.7,108.02 63.75,108.2 63.84,108.38 63.97,108.56 64.14,108.76
col3 on Bottom: 57.28,119.88 57.29,120.04 57.31,120.16 57.36,120.26 57.42,120.35 57.5,120.41 57.59,120.47 57.7,120.53 57.81,120.58 57.93,120.64 58.05,120.71 57.86,121.8 56.77,121.44 56.78,121.25 56.8,121.09 56.83,120.95 56.86,120.82 56.9,120.7 56.94,120.57 56.97,120.44 57,120.28 57.02,120.1 57.03,119.88
col3 on Bottom: 58.15,41.24 58.26,41.03 58.35,40.85 58.42,40.69 58.47,40.54 58.52,40.41 58.56,40.27 58.65,39.98 58.7,39.81 58.77,39.6 59.81,39.58 59.79,40.62 59.6,40.68 59.42,40.72 59.11,40.78 58.97,40.81 58.84,40.86 58.72,40.93 58.6,41.03 58.48,41.17 58.37,41.36
col3 on Bottom: 58.15,60.29 58.26,60.08 58.35,59.9 58.42,59.74 58.47,59.59 58.52,59.46 58.56,59.32 58.65,59.03 58.7,58.86 58.77,58.65 59.81,58.63 59.79,59.67 59.6,59.73 59.42,59.77 59.11,59.83 58.97,59.86 58.84,59.91 58.72,59.98 58.6,60.08 58.48,60.22 58.37,60.41
col3 on Bottom: 60.09,104.26 60.26,104.58 60.44,104.81 60.64,104.97 60.87,105.06 61.11,105.1 61.37,105.13 61.65,105.14 61.95,105.16 62.27,105.21 62.61,105.3 62.65,107.44 60.51,107.4 60.39,107.04 60.32,106.72 60.28,106.44 60.25,106.18 60.23,105.93 60.21,105.67 60.17,105.4 60.11,105.1 60.01,104.75 59.86,104.35
col3 on Bottom: 58.37,95.52 58.48,95.71 58.6,95.85 58.72,95.95 58.84,96.02 58.97,96.07 59.11,96.11 59.42,96.16 59.6,96.2 59.79,96.26 59.81,97.3 58.77,97.28 58.7,97.08 58.65,96.9 58.56,96.61 58.52,96.48 58.47,96.34 58.42,96.2 58.35,96.04 58.26,95.86 58.15,95.64
col3 on Bottom: 58.37,38.37 58.48,38.56 58.6,38.7 58.72,38.8 58.84,38.87 58.97,38.92 59.11,38.96 59.42,39.01 59.6,39.05 59.79,39.11 59.81,40.15 58.77,40.13 58.7,39.93 58.65,39.75 58.56,39.46 58.52,39.33 58.47,39.19 58.42,39.05 58.35,38.89 58.26,38.71 58.15,38.49
col3 on Bottom: 58.15,22.19 58.26,21.98 58.35,21.8 58.42,21.64 58.47,21.49 58.52,21.36 58.56,21.22 58.65,20.93 58.7,20.76 58.77,20.55 59.81,20.53 59.79,21.57 59.6,21.63 59.42,21.67 59.11,21.73 58.97,21.76 58.84,21.81 58.72,21.88 58.6,21.98 58.48,22.12 58.37,22.31
col3 on Bottom: 59.57,98.6 59.56,98.43 59.53,98.28 59.49,98.17 59.43,98.07 59.36,97.98 59.28,97.9 59.1,97.73 59,97.63 58.89,97.51 59.44,96.63 60.3,97.21 60.25,97.38 60.19,97.53 60.13,97.65 60.06,97.76 60,97.87 59.94,97.98 59.89,98.1 59.85,98.24 59.83,98.4 59.82,98.6
col3 on Bottom: 58.37,57.42 58.48,57.61 58.6,57.75 58.72,57.85 58.84,57.92 58.97,57.97 59.11,58.01 59.42,58.06 59.6,58.1 59.79,58.16 59.81,59.2 58.77,59.18 58.7,58.98 58.65,58.8 58.56,58.51 58.52,58.38 58.47,58.24 58.42,58.1 58.35,57.94 58.26,57.76 58.15,57.54
col3 on Bottom: 63.03,107.64 63.21,107.8 63.39,107.91 63.56,107.98 63.74,108.02 63.91,108.03 64.08,108.01 64.25,107.98 64.41,107.93 64.58,107.88 64.74,107.83 65.96,109.8 63.64,109.79 63.6,109.59 63.57,109.4 63.54,109.21 63.51,109.02 63.46,108.83 63.4,108.64 63.32,108.45 63.21,108.25 63.05,108.04 62.85,107.82
col3 on Bottom: 62.85,108.76 62.99,108.63 63.14,108.54 63.28,108.48 63.42,108.43 63.56,108.4 63.8,108.36 63.9,108.33 63.99,108.3 64.06,108.24 66.04,109.62 63.64,109.78 63.59,109.57 63.55,109.43 63.5,109.28 63.45,109.13 63.39,109.01 63.31,108.91 63.23,108.86 63.13,108.86 63.03,108.93
col3 on Bottom: 62.85,108.76 62.9,108.69 62.89,108.63 62.84,108.59 62.75,108.55 62.65,108.53 62.53,108.52 62.41,108.51 62.31,108.51 62.22,108.5 62.17,108.51 61.72,106.11 63.23,108.03 63.21,108.07 63.2,108.13 63.21,108.21 63.21,108.3 63.21,108.4 63.21,108.5 63.2,108.61 63.17,108.72 63.11,108.83 63.03,108.93
col4 on Top: 83.15,108.4 82.92,108.63 82.73,108.84 82.58,109.02 82.46,109.19 82.34,109.36 82.23,109.51 82.12,109.67 82,109.85 81.85,110.03 81.67,110.24 80.16,109.63 80.82,108.15 81.02,108.17 81.2,108.18 81.37,108.18 81.52,108.18 81.67,108.16 81.81,108.12 81.96,108.06 82.11,107.97 82.27,107.85 82.44,107.69
col4 on Top: 82.26,107.86 82.49,107.63 82.67,107.42 82.82,107.24 82.95,107.07 83.07,106.9 83.17,106.75 83.29,106.58 83.41,106.41 83.56,106.23 83.74,106.02 85.25,106.62 84.59,108.11 84.39,108.09 84.21,108.08 84.04,108.07 83.89,108.08 83.74,108.1 83.59,108.14 83.45,108.2 83.3,108.29 83.14,108.41 82.97,108.57
col4 on Bottom: 81.32,110.14 81.3,109.77 81.23,109.47 81.13,109.22 81,109.02 80.84,108.85 80.65,108.69 80.46,108.52 80.24,108.34 80.02,108.12 79.8,107.86 80.95,106.05 82.71,107.27 82.6,107.63 82.46,107.93 82.31,108.19 82.16,108.41 82.01,108.63 81.87,108.85 81.75,109.09 81.65,109.37 81.59,109.72 81.57,110.14
col4 on Bottom: 81.77,107.34 82.04,107.58 82.29,107.73 82.53,107.83 82.76,107.87 82.99,107.87 83.23,107.85 83.48,107.81 83.75,107.77 84.05,107.75 84.39,107.75 85.01,109.8 82.94,110.34 82.74,110.02 82.6,109.72 82.51,109.44 82.44,109.17 82.38,108.92 82.32,108.66 82.22,108.4 82.08,108.12 81.88,107.83 81.6,107.52
col4 on Bottom: 83.35,109.27 83.06,109.01 82.79,108.83 82.53,108.72 82.28,108.65 82.04,108.62 81.79,108.61 81.52,108.6 81.24,108.57 80.92,108.52 80.58,108.42 80.53,106.28 82.68,106.32 82.77,106.67 82.83,106.98 82.85,107.26 82.86,107.53 82.88,107.78 82.91,108.03 82.97,108.28 83.09,108.53 83.27,108.8 83.53,109.1
col4 on Bottom: 79.04,104.18 79.22,104.52 79.41,104.76 79.63,104.92 79.86,105.02 80.11,105.08 80.38,105.1 80.67,105.12 80.98,105.15 81.31,105.2 81.66,105.3 81.7,107.44 79.56,107.4 79.44,107.03 79.36,106.7 79.31,106.41 79.27,106.14 79.25,105.89 79.21,105.63 79.16,105.35 79.09,105.04 78.97,104.69 78.81,104.28
col4 on Bottom: 77.2,22.19 77.31,21.98 77.4,21.8 77.47,21.64 77.52,21.49 77.57,21.36 77.61,21.22 77.7,20.93 77.75,20.76 77.82,20.55 78.86,20.53 78.84,21.57 78.65,21.63 78.47,21.67 78.16,21.73 78.02,21.76 77.89,21.81 77.77,21.88 77.65,21.98 77.53,22.12 77.42,22.31
col4 on Bottom: 61.44,120.34 61.31,120.49 61.22,120.62 61.15,120.75 61.11,120.87 61.09,121 61.08,121.12 61.06,121.25 61.05,121.39 61.02,121.55 60.96,121.72 59.86,121.74 59.88,120.64 60.06,120.59 60.21,120.56 60.35,120.54 60.49,120.53 60.61,120.52 60.73,120.49 60.86,120.45 60.98,120.39 61.12,120.29 61.27,120.16
col5 on Top: 101.31,107.86 101.54,107.63 101.72,107.42 101.87,107.24 102,107.07 102.12,106.9 102.22,106.75 102.34,106.58 102.46,106.41 102.61,106.23 102.79,106.02 104.3,106.62 103.64,108.11 103.44,108.09 103.26,108.08 103.09,108.07 102.94,108.08 102.79,108.1 102.64,108.14 102.5,108.2 102.35,108.29 102.19,108.41 102.02,108.57
